# KiCad board DumpsterPanel.kicad_pcb (continued)
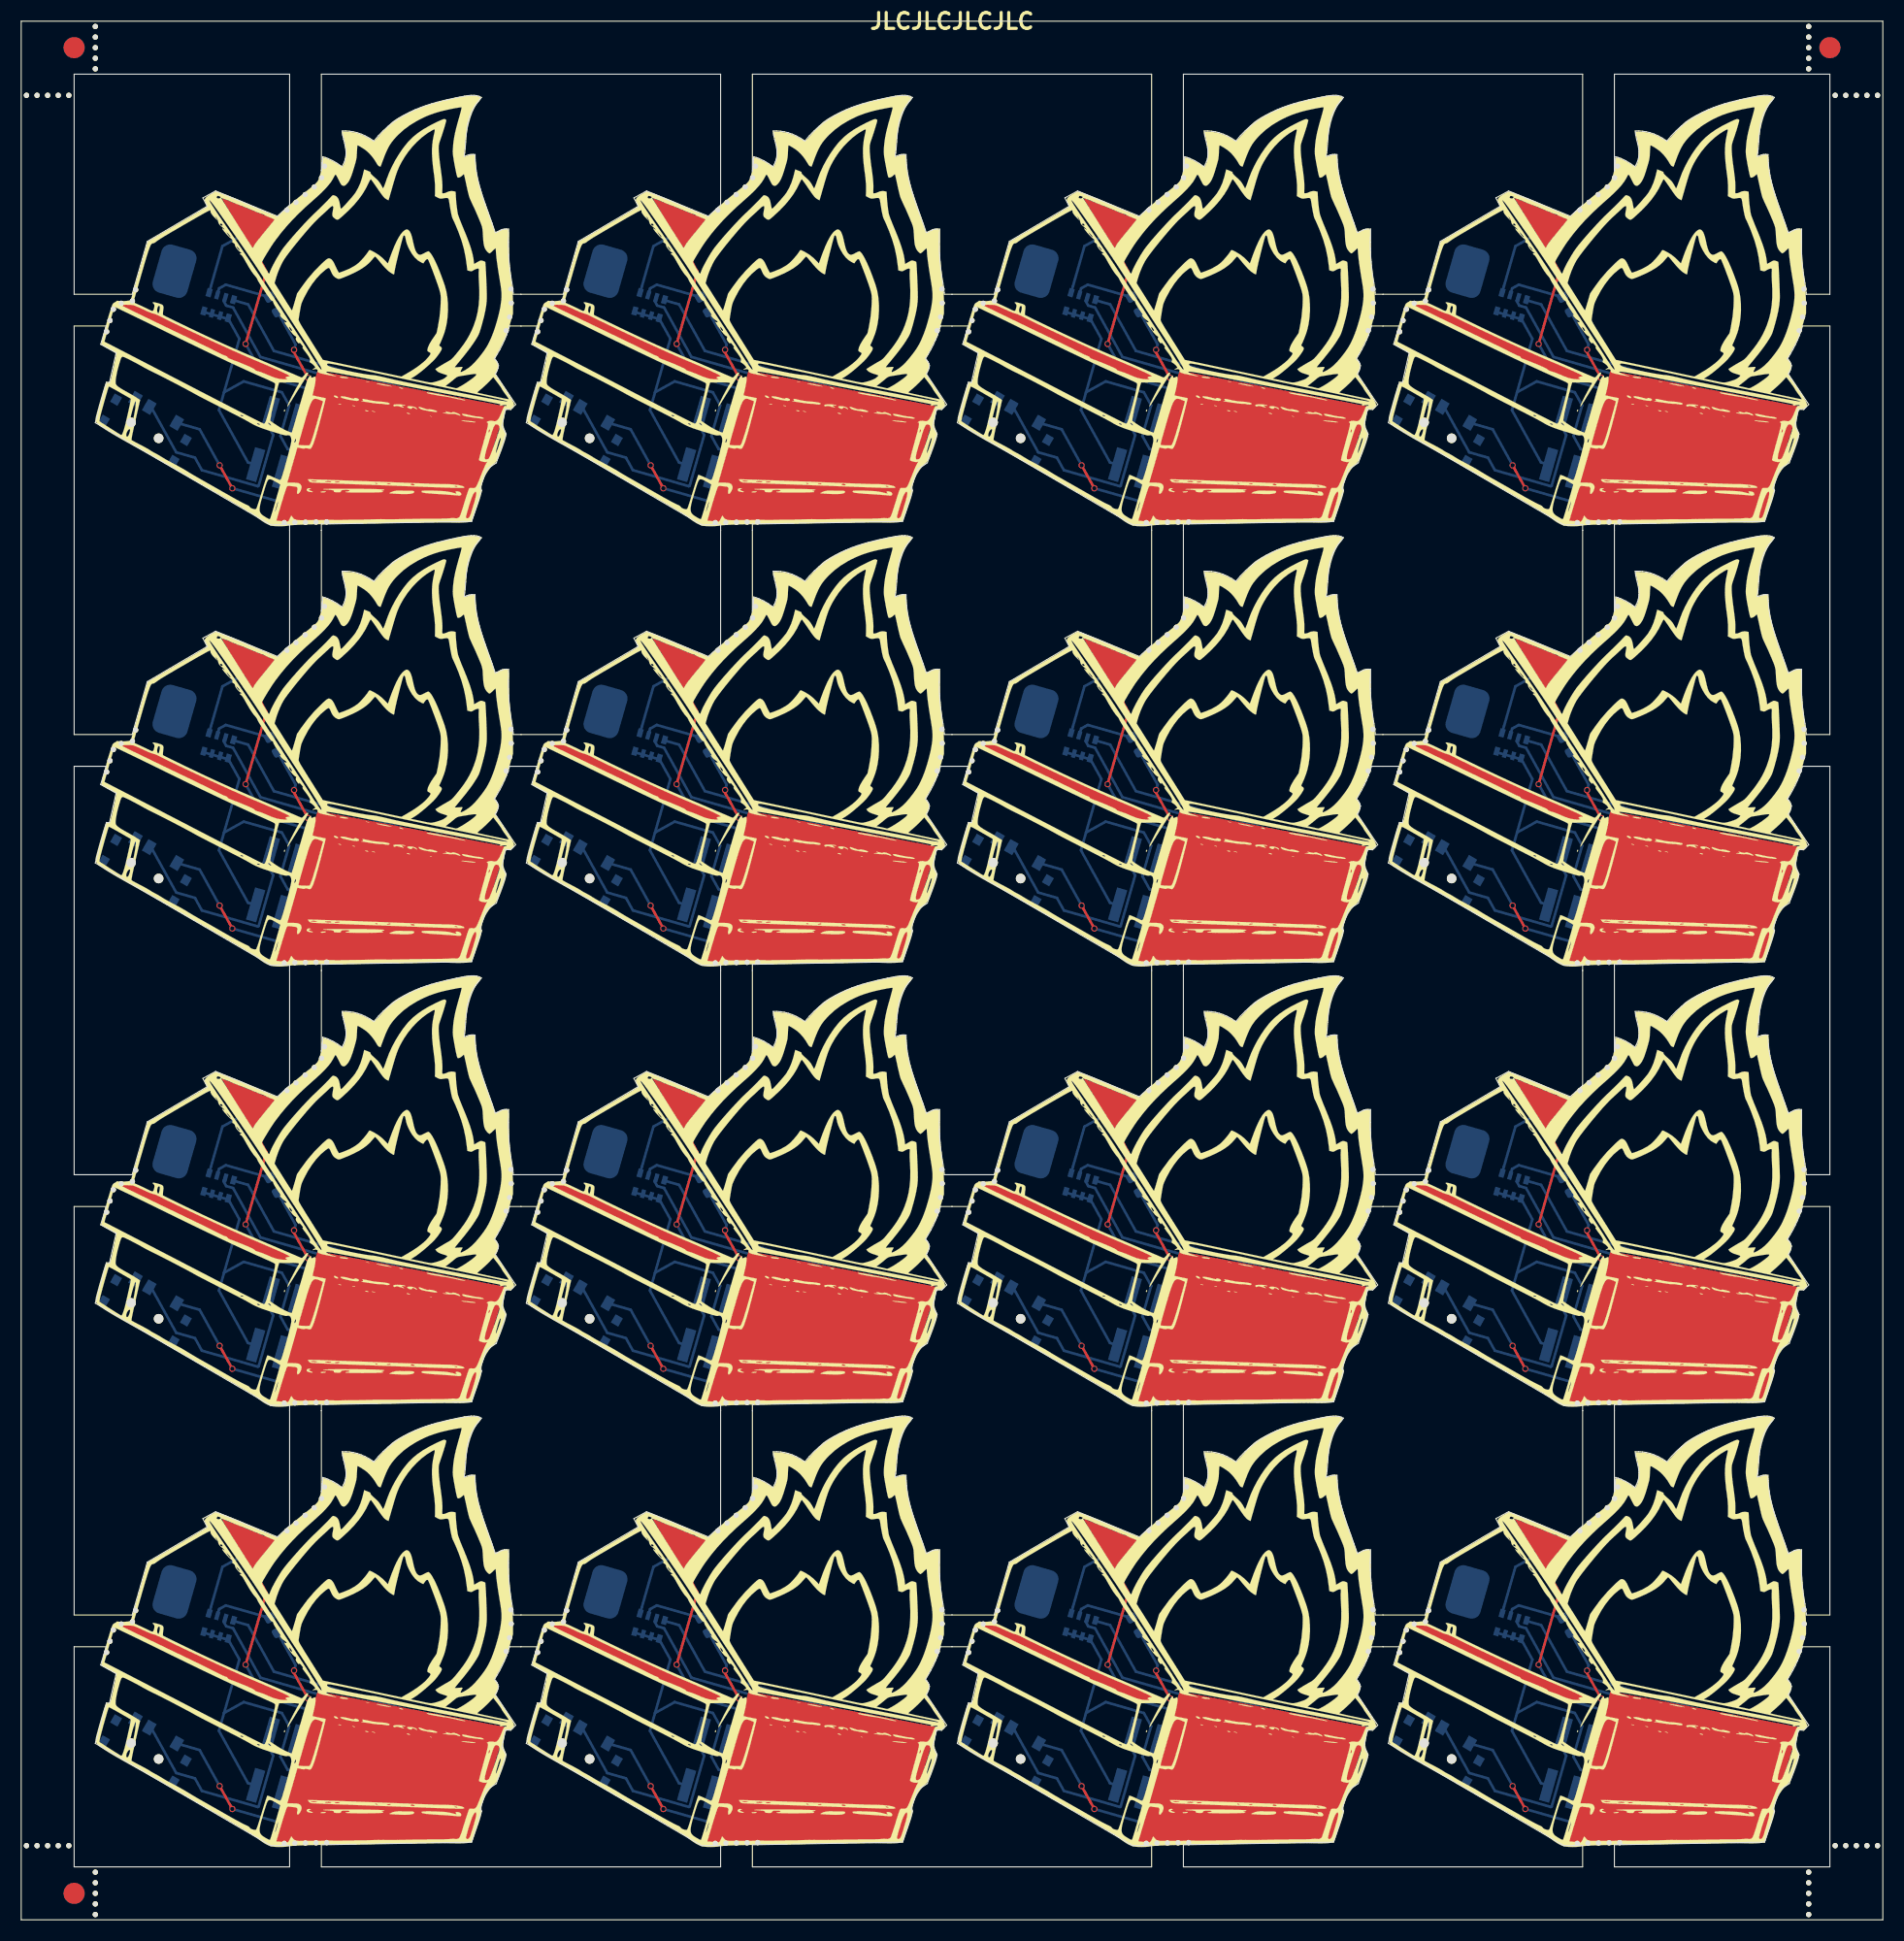
[diagram p0: board, top side]
## Nets (continued)
Board_12-unconnected-(U2-PD2-Pad19): U2#11.19
Board_12-unconnected-(U2-PD3-Pad20): U2#11.20
Board_12-unconnected-(U2-PD5-Pad2): U2#11.2
Board_12-unconnected-(U2-PD6-Pad3): U2#11.3
Board_12-unconnected-(U2-PD7-Pad4): U2#11.4
Board_12-VCC: C2#9.2 SW1#5.3 U2#11.9
Board_12-VSS: C2#9.1 J1#13.2 RN1#4.5 RN1#4.6 RN1#4.7 RN1#4.8 U2#11.7
Board_13-+3V3: J1#9.1 SW1#14.2
Board_13-A: D1#10.2 U2#8.11
Board_13-B: D4#3.2 U2#8.12
Board_13-C: D3#11.2 U2#8.13
Board_13-D: D2#3.2 U2#8.1
Board_13-Net-(D1-K): D1#10.1 RN1#7.1
Board_13-Net-(D2-K): D2#3.1 RN1#7.4
Board_13-Net-(D3-K): D3#11.1 RN1#7.3
Board_13-Net-(D4-K): D4#3.1 RN1#7.2
Board_13-SWIO: J1#9.5 U2#8.18
Board_13-unconnected-(J1-Pin_3-Pad3): J1#9.3
Board_13-unconnected-(J1-Pin_4-Pad4): J1#9.4
Board_13-unconnected-(J1-Pin_6-Pad6): J1#9.6
Board_13-unconnected-(J2-Pin_1-Pad1): J2#15.1
Board_13-unconnected-(SW1-A-Pad1): SW1#14.1
Board_13-unconnected-(U2-PA1-Pad5): U2#8.5
Board_13-unconnected-(U2-PA2-Pad6): U2#8.6
Board_13-unconnected-(U2-PC0-Pad10): U2#8.10
Board_13-unconnected-(U2-PC4-Pad14): U2#8.14
Board_13-unconnected-(U2-PC5-Pad15): U2#8.15
Board_13-unconnected-(U2-PC6-Pad16): U2#8.16
Board_13-unconnected-(U2-PC7-Pad17): U2#8.17
Board_13-unconnected-(U2-PD0-Pad8): U2#8.8
Board_13-unconnected-(U2-PD2-Pad19): U2#8.19
Board_13-unconnected-(U2-PD3-Pad20): U2#8.20
Board_13-unconnected-(U2-PD5-Pad2): U2#8.2
Board_13-unconnected-(U2-PD6-Pad3): U2#8.3
Board_13-unconnected-(U2-PD7-Pad4): U2#8.4
Board_13-VCC: C2#2.2 SW1#14.3 U2#8.9
Board_13-VSS: C2#2.1 J1#9.2 RN1#7.5 RN1#7.6 RN1#7.7 RN1#7.8 U2#8.7
Board_14-+3V3: J1#4.1 SW1#6.2
Board_14-A: D1#12.2 U2#15.11
Board_14-B: D4#9.2 U2#15.12
Board_14-C: D3#2.2 U2#15.13
Board_14-D: D2#9.2 U2#15.1
Board_14-Net-(D1-K): D1#12.1 RN1#3.1
Board_14-Net-(D2-K): D2#9.1 RN1#3.4
Board_14-Net-(D3-K): D3#2.1 RN1#3.3
Board_14-Net-(D4-K): D4#9.1 RN1#3.2
Board_14-SWIO: J1#4.5 U2#15.18
Board_14-unconnected-(J1-Pin_3-Pad3): J1#4.3
Board_14-unconnected-(J1-Pin_4-Pad4): J1#4.4
Board_14-unconnected-(J1-Pin_6-Pad6): J1#4.6
Board_14-unconnected-(J2-Pin_1-Pad1): J2#13.1
Board_14-unconnected-(SW1-A-Pad1): SW1#6.1
Board_14-unconnected-(U2-PA1-Pad5): U2#15.5
Board_14-unconnected-(U2-PA2-Pad6): U2#15.6
Board_14-unconnected-(U2-PC0-Pad10): U2#15.10
Board_14-unconnected-(U2-PC4-Pad14): U2#15.14
Board_14-unconnected-(U2-PC5-Pad15): U2#15.15
Board_14-unconnected-(U2-PC6-Pad16): U2#15.16
Board_14-unconnected-(U2-PC7-Pad17): U2#15.17
Board_14-unconnected-(U2-PD0-Pad8): U2#15.8
Board_14-unconnected-(U2-PD2-Pad19): U2#15.19
Board_14-unconnected-(U2-PD3-Pad20): U2#15.20
Board_14-unconnected-(U2-PD5-Pad2): U2#15.2
Board_14-unconnected-(U2-PD6-Pad3): U2#15.3
Board_14-unconnected-(U2-PD7-Pad4): U2#15.4
Board_14-VCC: C2#11.2 SW1#6.3 U2#15.9
Board_14-VSS: C2#11.1 J1#4.2 RN1#3.5 RN1#3.6 RN1#3.7 RN1#3.8 U2#15.7
Board_15-+3V3: J1#14.1 SW1.2
Board_15-A: D1#14.2 U2#16.11
Board_15-B: D4#14.2 U2#16.12
Board_15-C: D3#6.2 U2#16.13
Board_15-D: D2#12.2 U2#16.1
Board_15-Net-(D1-K): D1#14.1 RN1.1
Board_15-Net-(D2-K): D2#12.1 RN1.4
Board_15-Net-(D3-K): D3#6.1 RN1.3
Board_15-Net-(D4-K): D4#14.1 RN1.2
Board_15-SWIO: J1#14.5 U2#16.18
Board_15-unconnected-(J1-Pin_3-Pad3): J1#14.3
Board_15-unconnected-(J1-Pin_4-Pad4): J1#14.4
Board_15-unconnected-(J1-Pin_6-Pad6): J1#14.6
Board_15-unconnected-(J2-Pin_1-Pad1): J2#4.1
Board_15-unconnected-(SW1-A-Pad1): SW1.1
Board_15-unconnected-(U2-PA1-Pad5): U2#16.5
Board_15-unconnected-(U2-PA2-Pad6): U2#16.6
Board_15-unconnected-(U2-PC0-Pad10): U2#16.10
Board_15-unconnected-(U2-PC4-Pad14): U2#16.14
Board_15-unconnected-(U2-PC5-Pad15): U2#16.15
Board_15-unconnected-(U2-PC6-Pad16): U2#16.16
Board_15-unconnected-(U2-PC7-Pad17): U2#16.17
Board_15-unconnected-(U2-PD0-Pad8): U2#16.8
Board_15-unconnected-(U2-PD2-Pad19): U2#16.19
Board_15-unconnected-(U2-PD3-Pad20): U2#16.20
Board_15-unconnected-(U2-PD5-Pad2): U2#16.2
Board_15-unconnected-(U2-PD6-Pad3): U2#16.3
Board_15-unconnected-(U2-PD7-Pad4): U2#16.4
Board_15-VCC: C2#7.2 SW1.3 U2#16.9
Board_15-VSS: C2#7.1 J1#14.2 RN1.5 RN1.6 RN1.7 RN1.8 U2#16.7

Pads without a net: SW1 4; SW1#2 4; SW1#3 4; SW1#4 4; SW1#5 4; SW1#6 4; SW1#7 4; SW1#8 4; SW1#9 4; SW1#10 4; SW1#11 4; SW1#12 4; SW1#13 4; SW1#14 4; SW1#15 4; SW1#16 4

## Via types
v1: diameter 0.6, hole 0.4, Top to Bottom, 96 vias

## Routing (per net, layer and track width the routed paths; a pad name or vN(x,y) marks a point on that pad's centre or on a via; arc(x,y) is an arc through that point)
Board_0-+3V3: length 21.2
  Bottom w0.25: J1#16.1 23.24,141.23 23.8,140.21 22.43,135.42 22.35,135.38 17.07,136.89 16.41,138.07 14.64,138.58 12.28,142.84 12.02,142.92
Board_0-A: length 29.6
  Top w0.25: v1(22.5,156.82) 23.15,155.64 v1(21.2,148.82)
  Bottom w0.25: v1(21.2,148.82) 22.88,145.78 30.18,143.69 30.87,142.45 29.9,139.08 31.21,136.71 U2#9.11 ; v1(22.5,156.82) 22.36,156.86 D1#3.2
Board_0-B: length 19.2
  Top w0.25: v1(27.09,145.62) 25.72,148.09 v1(25.77,148.26)
  Bottom w0.25: v1(25.77,148.26) 25.92,148.76 D4#4.2 ; U2#9.12 31.38,137.34 30.42,139.07 31.45,142.66 30.67,144.07 27.44,145 v1(27.09,145.62)
Board_0-C: length 8.2
  Bottom w0.25: U2#9.13 31.56,137.96 30.94,139.08 31.97,142.66 31.44,143.62 D3#8.2
Board_0-D: length 3.6
  Bottom w0.25: U2#9.1 39.59,142.53 D2#5.2
Board_0-Net-(D1-K): length 8
  Bottom w0.25: D1#3.1 19.01,158.05 RN1#11.1
Board_0-Net-(D2-K): length 22.5
  Bottom w0.25: D2#5.1 23.87,148.15 21.43,152.54 20.14,152.92
Board_0-Net-(D3-K): length 14.8
  Bottom w0.25: D3#8.1 22.6,147.58 20.01,152.25 19.36,152.44 19.13,152.86 19.22,153.18
Board_0-Net-(D4-K): length 5.7
  Bottom w0.25: D4#4.1 19.32,154.41 18.7,154.06 RN1#11.2
Board_0-SWIO: length 15.1
  Bottom w0.25: U2#9.18 34.74,140.43 35.1,139.78 33.99,135.94 33,135.39 31.13,135.93 28.41,140.84 J1#16.5
Board_0-VCC: length 30.4
  Top w0.25: v1(18.74,137.35) v1(19.94,135.18)
  Bottom w0.25: SW1#7.3 16.86,140.75 v1(18.74,137.35) ; C2#3.2 39.96,134.88 U2#9.9 36.4,135.9 29.94,132.32 v1(19.94,135.18)
Board_0-VSS: length 48.1
  Bottom w0.25: J1#16.2 21.42,137.62 18.68,142.57 19.16,144.25 ; 19.16,144.25 20.61,149.3 19.58,151.15 17.18,151.84 ; 19.16,144.25 21.02,145.28 24.62,144.24 25.31,143.01 24.48,140.12 25.16,138.89 29.01,137.78 30.72,134.69 32.36,134.22 36.81,136.69 36.83,136.74 37.28,137 U2#9.7 40.08,136.2 C2#3.1
Board_1-+3V3: length 21.2
  Bottom w0.25: J1#5.1 63.94,141.23 64.5,140.21 63.13,135.42 63.05,135.38 57.77,136.89 57.11,138.07 55.34,138.58 52.98,142.84 52.72,142.92
Board_1-A: length 29.6
  Top w0.25: v1(63.21,156.82) 63.86,155.64 v1(61.9,148.82)
  Bottom w0.25: U2#6.11 71.91,136.71 70.6,139.08 71.57,142.45 70.88,143.69 63.58,145.78 v1(61.9,148.82) ; D1.2 63.06,156.86 v1(63.21,156.82)
Board_1-B: length 19.2
  Top w0.25: v1(66.47,148.26) 66.42,148.09 v1(67.8,145.62)
  Bottom w0.25: v1(66.47,148.26) 66.62,148.76 D4#10.2 ; U2#6.12 72.08,137.34 71.12,139.07 72.15,142.66 71.37,144.07 68.14,145 v1(67.8,145.62)
Board_1-C: length 8.2
  Bottom w0.25: D3#3.2 72.14,143.62 72.67,142.66 71.64,139.08 72.26,137.96 U2#6.13
Board_1-D: length 3.6
  Bottom w0.25: U2#6.1 80.29,142.53 D2#10.2
Board_1-Net-(D1-K): length 8
  Bottom w0.25: D1.1 59.71,158.05 RN1#10.1
Board_1-Net-(D2-K): length 22.5
  Bottom w0.25: 60.84,152.92 62.14,152.54 64.57,148.15 D2#10.1
Board_1-Net-(D3-K): length 14.8
  Bottom w0.25: 59.93,153.18 59.83,152.86 60.07,152.44 60.71,152.25 63.3,147.58 D3#3.1
Board_1-Net-(D4-K): length 5.7
  Bottom w0.25: RN1#10.2 59.4,154.06 60.02,154.41 D4#10.1
Board_1-SWIO: length 15.1
  Bottom w0.25: J1#5.5 69.11,140.84 71.83,135.93 73.71,135.39 74.7,135.94 75.8,139.78 75.44,140.43 U2#6.18
Board_1-VCC: length 30.4
  Top w0.25: v1(59.44,137.35) v1(60.64,135.18)
  Bottom w0.25: v1(60.64,135.18) 70.64,132.32 77.1,135.9 U2#6.9 80.66,134.88 C2.2 ; SW1#4.3 57.56,140.75 v1(59.44,137.35)
Board_1-VSS: length 48.1
  Bottom w0.25: J1#5.2 62.12,137.62 59.38,142.57 59.86,144.25 ; C2.1 80.78,136.2 U2#6.7 77.99,137 77.53,136.74 77.51,136.69 73.06,134.22 71.43,134.69 69.71,137.78 65.87,138.89 65.18,140.12 66.01,143.01 65.32,144.24 61.72,145.28 59.86,144.25 ; 57.88,151.84 60.28,151.15 61.31,149.3 59.86,144.25
Board_2-+3V3: length 21.2
  Bottom w0.25: J1#6.1 104.64,141.23 105.21,140.21 103.83,135.42 103.75,135.38 98.47,136.89 97.82,138.07 96.05,138.58 93.68,142.84 93.42,142.92
Board_2-A: length 29.6
  Top w0.25: v1(103.91,156.82) 104.56,155.64 v1(102.6,148.82)
  Bottom w0.25: D1#11.2 103.76,156.86 v1(103.91,156.82) ; U2#5.11 112.62,136.71 111.31,139.08 112.27,142.45 111.59,143.69 104.28,145.78 v1(102.6,148.82)
Board_2-B: length 19.2
  Top w0.25: v1(108.5,145.62) 107.13,148.09 v1(107.18,148.26)
  Bottom w0.25: v1(107.18,148.26) 107.32,148.76 D4.2 ; U2#5.12 112.78,137.34 111.82,139.07 112.85,142.66 112.07,144.07 108.84,145 v1(108.5,145.62)
Board_2-C: length 8.2
  Bottom w0.25: D3#4.2 112.84,143.62 113.37,142.66 112.35,139.08 112.96,137.96 U2#5.13
Board_2-D: length 3.6
  Bottom w0.25: D2#14.2 120.99,142.53 U2#5.1
Board_2-Net-(D1-K): length 8
  Bottom w0.25: RN1#9.1 100.41,158.05 D1#11.1
Board_2-Net-(D2-K): length 22.5
  Bottom w0.25: 101.54,152.92 102.84,152.54 105.27,148.15 D2#14.1
Board_2-Net-(D3-K): length 14.8
  Bottom w0.25: D3#4.1 104,147.58 101.41,152.25 100.77,152.44 100.54,152.86 100.63,153.18
Board_2-Net-(D4-K): length 5.7
  Bottom w0.25: RN1#9.2 100.1,154.06 100.73,154.41 D4.1
Board_2-SWIO: length 15.1
  Bottom w0.25: U2#5.18 116.14,140.43 116.5,139.78 115.4,135.94 114.41,135.39 112.54,135.93 109.81,140.84 J1#6.5
Board_2-VCC: length 30.4
  Top w0.25: v1(100.15,137.35) v1(101.35,135.18)
  Bottom w0.25: v1(100.15,137.35) 98.26,140.75 SW1#13.3 ; v1(101.35,135.18) 111.34,132.32 117.81,135.9 U2#5.9 121.36,134.88 C2#4.2
Board_2-VSS: length 48.1
  Bottom w0.25: J1#6.2 102.83,137.62 100.08,142.57 100.56,144.25 ; 100.56,144.25 102.42,145.28 106.02,144.24 106.71,143.01 105.88,140.12 106.57,138.89 110.41,137.78 112.13,134.69 113.76,134.22 118.22,136.69 118.23,136.74 118.69,137 U2#5.7 121.48,136.2 C2#4.1 ; 100.56,144.25 102.01,149.3 100.98,151.15 98.58,151.84
Board_3-+3V3: length 21.2
  Bottom w0.25: J1#8.1 145.34,141.23 145.91,140.21 144.54,135.42 144.46,135.38 139.17,136.89 138.52,138.07 136.75,138.58 134.39,142.84 134.12,142.92
Board_3-A: length 29.6
  Top w0.25: v1(144.61,156.82) 145.26,155.64 v1(143.31,148.82)
  Bottom w0.25: D1#13.2 144.47,156.86 v1(144.61,156.82) ; v1(143.31,148.82) 144.99,145.78 152.29,143.69 152.98,142.45 152.01,139.08 153.32,136.71 U2#14.11
Board_3-B: length 19.2
  Top w0.25: v1(149.2,145.62) 147.83,148.09 v1(147.88,148.26)
  Bottom w0.25: v1(147.88,148.26) 148.02,148.76 D4#16.2 ; v1(149.2,145.62) 149.54,145 152.78,144.07 153.56,142.66 152.53,139.07 153.49,137.34 U2#14.12
Board_3-C: length 8.2
  Bottom w0.25: D3#5.2 153.54,143.62 154.07,142.66 153.05,139.08 153.67,137.96 U2#14.13
Board_3-D: length 3.6
  Bottom w0.25: D2#11.2 161.7,142.53 U2#14.1
Board_3-Net-(D1-K): length 8
  Bottom w0.25: RN1#2.1 141.12,158.05 D1#13.1
Board_3-Net-(D2-K): length 22.5
  Bottom w0.25: D2#11.1 145.98,148.15 143.54,152.54 142.24,152.92
Board_3-Net-(D3-K): length 14.8
  Bottom w0.25: 141.33,153.18 141.24,152.86 141.47,152.44 142.12,152.25 144.7,147.58 D3#5.1
Board_3-Net-(D4-K): length 5.7
  Bottom w0.25: RN1#2.2 140.8,154.06 141.43,154.41 D4#16.1
Board_3-SWIO: length 15.1
  Bottom w0.25: U2#14.18 156.84,140.43 157.2,139.78 156.1,135.94 155.11,135.39 153.24,135.93 150.52,140.84 J1#8.5
Board_3-VCC: length 30.4
  Top w0.25: v1(140.85,137.35) v1(142.05,135.18)
  Bottom w0.25: v1(140.85,137.35) 138.96,140.75 SW1#11.3 ; v1(142.05,135.18) 152.05,132.32 158.51,135.9 U2#14.9 162.07,134.88 C2#5.2
Board_3-VSS: length 48.1
  Bottom w0.25: 139.28,151.84 141.69,151.15 142.71,149.3 141.27,144.25 ; C2#5.1 162.18,136.2 U2#14.7 159.39,137 158.93,136.74 158.92,136.69 154.47,134.22 152.83,134.69 151.12,137.78 147.27,138.89 146.59,140.12 147.41,143.01 146.73,144.24 143.12,145.28 141.27,144.25 ; J1#8.2 143.53,137.62 140.79,142.57 141.27,144.25
Board_4-+3V3: length 21.2
  Bottom w0.25: 12.02,101.34 12.28,101.27 14.64,97.01 16.41,96.5 17.07,95.32 22.35,93.8 22.43,93.85 23.8,98.64 23.24,99.66 J1#12.1
Board_4-A: length 29.6
  Top w0.25: v1(22.5,115.24) 23.15,114.07 v1(21.2,107.24)
  Bottom w0.25: U2#13.11 31.21,95.14 29.9,97.5 30.87,100.88 30.18,102.12 22.88,104.21 v1(21.2,107.24) ; D1#5.2 22.36,115.28 v1(22.5,115.24)
Board_4-B: length 19.2
  Top w0.25: v1(27.09,104.04) 25.72,106.52 v1(25.77,106.69)
  Bottom w0.25: v1(27.09,104.04) 27.44,103.42 30.67,102.5 31.45,101.09 30.42,97.5 31.38,95.77 U2#13.12 ; v1(25.77,106.69) 25.92,107.19 D4#8.2
Board_4-C: length 8.2
  Bottom w0.25: U2#13.13 31.56,96.39 30.94,97.5 31.97,101.09 31.44,102.04 D3#16.2
Board_4-D: length 3.6
  Bottom w0.25: D2#8.2 39.59,100.95 U2#13.1
Board_4-Net-(D1-K): length 8
  Bottom w0.25: D1#5.1 19.01,116.48 RN1#15.1
Board_4-Net-(D2-K): length 22.5
  Bottom w0.25: 20.14,111.34 21.43,110.97 23.87,106.58 D2#8.1
Board_4-Net-(D3-K): length 14.8
  Bottom w0.25: 19.22,111.61 19.13,111.28 19.36,110.86 20.01,110.68 22.6,106.01 D3#16.1
Board_4-Net-(D4-K): length 5.7
  Bottom w0.25: RN1#15.2 18.7,112.49 19.32,112.83 D4#8.1
Board_4-SWIO: length 15.1
  Bottom w0.25: U2#13.18 34.74,98.86 35.1,98.21 33.99,94.37 33,93.82 31.13,94.35 28.41,99.27 J1#12.5
Board_4-VCC: length 30.4
  Top w0.25: v1(18.74,95.78) v1(19.94,93.61)
  Bottom w0.25: SW1#3.3 16.86,99.18 v1(18.74,95.78) ; C2#16.2 39.96,93.31 U2#13.9 36.4,94.33 29.94,90.74 v1(19.94,93.61)
Board_4-VSS: length 48.1
  Bottom w0.25: 19.16,102.68 18.68,100.99 21.42,96.05 J1#12.2 ; 19.16,102.68 20.61,107.72 19.58,109.58 17.18,110.27 ; 19.16,102.68 21.02,103.71 24.62,102.67 25.31,101.44 24.48,98.55 25.16,97.31 29.01,96.21 30.72,93.12 32.36,92.65 36.81,95.12 36.83,95.17 37.28,95.43 U2#13.7 40.08,94.63 C2#16.1
Board_5-+3V3: length 21.2
  Bottom w0.25: J1#15.1 63.94,99.66 64.5,98.64 63.13,93.85 63.05,93.8 57.77,95.32 57.11,96.5 55.34,97.01 52.98,101.27 52.72,101.34
Board_5-A: length 29.6
  Top w0.25: v1(61.9,107.24) 63.86,114.07 v1(63.21,115.24)
  Bottom w0.25: v1(61.9,107.24) 63.58,104.21 70.88,102.12 71.57,100.88 70.6,97.5 71.91,95.14 U2#3.11 ; D1#6.2 63.06,115.28 v1(63.21,115.24)
Board_5-B: length 19.2
  Top w0.25: v1(66.47,106.69) 66.42,106.52 v1(67.8,104.04)
  Bottom w0.25: U2#3.12 72.08,95.77 71.12,97.5 72.15,101.09 71.37,102.5 68.14,103.42 v1(67.8,104.04) ; D4#13.2 66.62,107.19 v1(66.47,106.69)
Board_5-C: length 8.2
  Bottom w0.25: U2#3.13 72.26,96.39 71.64,97.5 72.67,101.09 72.14,102.04 D3#10.2
Board_5-D: length 3.6
  Bottom w0.25: U2#3.1 80.29,100.95 D2#6.2
Board_5-Net-(D1-K): length 8
  Bottom w0.25: RN1#5.1 59.71,116.48 D1#6.1
Board_5-Net-(D2-K): length 22.5
  Bottom w0.25: D2#6.1 64.57,106.58 62.14,110.97 60.84,111.34
Board_5-Net-(D3-K): length 14.8
  Bottom w0.25: D3#10.1 63.3,106.01 60.71,110.68 60.07,110.86 59.83,111.28 59.93,111.61
Board_5-Net-(D4-K): length 5.7
  Bottom w0.25: RN1#5.2 59.4,112.49 60.02,112.83 D4#13.1
Board_5-SWIO: length 15.1
  Bottom w0.25: J1#15.5 69.11,99.27 71.83,94.35 73.71,93.82 74.7,94.37 75.8,98.21 75.44,98.86 U2#3.18
Board_5-VCC: length 30.4
  Top w0.25: v1(59.44,95.78) v1(60.64,93.61)
  Bottom w0.25: v1(59.44,95.78) 57.56,99.18 SW1#15.3 ; v1(60.64,93.61) 70.64,90.74 77.1,94.33 U2#3.9 80.66,93.31 C2#12.2
Board_5-VSS: length 48.1
  Bottom w0.25: 59.86,102.68 61.31,107.72 60.28,109.58 57.88,110.27 ; 59.86,102.68 59.38,100.99 62.12,96.05 J1#15.2 ; 59.86,102.68 61.72,103.71 65.32,102.67 66.01,101.44 65.18,98.55 65.87,97.31 69.71,96.21 71.43,93.12 73.06,92.65 77.51,95.12 77.53,95.17 77.99,95.43 U2#3.7 80.78,94.63 C2#12.1
Board_6-+3V3: length 21.2
  Bottom w0.25: J1#10.1 104.64,99.66 105.21,98.64 103.83,93.85 103.75,93.8 98.47,95.32 97.82,96.5 96.05,97.01 93.68,101.27 93.42,101.34
Board_6-A: length 29.6
  Top w0.25: v1(102.6,107.24) 104.56,114.07 v1(103.91,115.24)
  Bottom w0.25: v1(103.91,115.24) 103.76,115.28 D1#15.2 ; U2.11 112.62,95.14 111.31,97.5 112.27,100.88 111.59,102.12 104.28,104.21 v1(102.6,107.24)
Board_6-B: length 19.2
  Top w0.25: v1(108.5,104.04) 107.13,106.52 v1(107.18,106.69)
  Bottom w0.25: v1(107.18,106.69) 107.32,107.19 D4#15.2 ; U2.12 112.78,95.77 111.82,97.5 112.85,101.09 112.07,102.5 108.84,103.42 v1(108.5,104.04)
Board_6-C: length 8.2
  Bottom w0.25: U2.13 112.96,96.39 112.35,97.5 113.37,101.09 112.84,102.04 D3#7.2
Board_6-D: length 3.6
  Bottom w0.25: U2.1 120.99,100.95 D2.2
Board_6-Net-(D1-K): length 8
  Bottom w0.25: RN1#14.1 100.41,116.48 D1#15.1
Board_6-Net-(D2-K): length 22.5
  Bottom w0.25: D2.1 105.27,106.58 102.84,110.97 101.54,111.34
Board_6-Net-(D3-K): length 14.8
  Bottom w0.25: D3#7.1 104,106.01 101.41,110.68 100.77,110.86 100.54,111.28 100.63,111.61
Board_6-Net-(D4-K): length 5.7
  Bottom w0.25: D4#15.1 100.73,112.83 100.1,112.49 RN1#14.2
Board_6-SWIO: length 15.1
  Bottom w0.25: J1#10.5 109.81,99.27 112.54,94.35 114.41,93.82 115.4,94.37 116.5,98.21 116.14,98.86 U2.18
Board_6-VCC: length 30.4
  Top w0.25: v1(100.15,95.78) v1(101.35,93.61)
  Bottom w0.25: C2#14.2 121.36,93.31 U2.9 117.81,94.33 111.34,90.74 v1(101.35,93.61) ; SW1#9.3 98.26,99.18 v1(100.15,95.78)
Board_6-VSS: length 48.1
  Bottom w0.25: J1#10.2 102.83,96.05 100.08,100.99 100.56,102.68 ; 100.56,102.68 102.42,103.71 106.02,102.67 106.71,101.44 105.88,98.55 106.57,97.31 110.41,96.21 112.13,93.12 113.76,92.65 118.22,95.12 118.23,95.17 118.69,95.43 U2.7 121.48,94.63 C2#14.1 ; 100.56,102.68 102.01,107.72 100.98,109.58 98.58,110.27
Board_7-+3V3: length 21.2
  Bottom w0.25: 134.12,101.34 134.39,101.27 136.75,97.01 138.52,96.5 139.17,95.32 144.46,93.8 144.54,93.85 145.91,98.64 145.34,99.66 J1#11.1
Board_7-A: length 29.6
  Top w0.25: v1(143.31,107.24) 145.26,114.07 v1(144.61,115.24)
  Bottom w0.25: v1(143.31,107.24) 144.99,104.21 152.29,102.12 152.98,100.88 152.01,97.5 153.32,95.14 U2#2.11 ; v1(144.61,115.24) 144.47,115.28 D1#2.2
Board_7-B: length 19.2
  Top w0.25: v1(149.2,104.04) 147.83,106.52 v1(147.88,106.69)
  Bottom w0.25: D4#5.2 148.02,107.19 v1(147.88,106.69) ; U2#2.12 153.49,95.77 152.53,97.5 153.56,101.09 152.78,102.5 149.54,103.42 v1(149.2,104.04)
Board_7-C: length 8.2
  Bottom w0.25: D3#9.2 153.54,102.04 154.07,101.09 153.05,97.5 153.67,96.39 U2#2.13
Board_7-D: length 3.6
  Bottom w0.25: D2#4.2 161.7,100.95 U2#2.1
Board_7-Net-(D1-K): length 8
  Bottom w0.25: D1#2.1 141.12,116.48 RN1#13.1
Board_7-Net-(D2-K): length 22.5
  Bottom w0.25: 142.24,111.34 143.54,110.97 145.98,106.58 D2#4.1
Board_7-Net-(D3-K): length 14.8
  Bottom w0.25: D3#9.1 144.7,106.01 142.12,110.68 141.47,110.86 141.24,111.28 141.33,111.61
Board_7-Net-(D4-K): length 5.7
  Bottom w0.25: D4#5.1 141.43,112.83 140.8,112.49 RN1#13.2
Board_7-SWIO: length 15.1
  Bottom w0.25: U2#2.18 156.84,98.86 157.2,98.21 156.1,94.37 155.11,93.82 153.24,94.35 150.52,99.27 J1#11.5
Board_7-VCC: length 30.4
  Top w0.25: v1(140.85,95.78) v1(142.05,93.61)
  Bottom w0.25: v1(142.05,93.61) 152.05,90.74 158.51,94.33 U2#2.9 162.07,93.31 C2#13.2 ; SW1#16.3 138.96,99.18 v1(140.85,95.78)
Board_7-VSS: length 48.1
  Bottom w0.25: J1#11.2 143.53,96.05 140.79,100.99 141.27,102.68 ; 139.28,110.27 141.69,109.58 142.71,107.72 141.27,102.68 ; C2#13.1 162.18,94.63 U2#2.7 159.39,95.43 158.93,95.17 158.92,95.12 154.47,92.65 152.83,93.12 151.12,96.21 147.27,97.31 146.59,98.55 147.41,101.44 146.73,102.67 143.12,103.71 141.27,102.68
Board_8-+3V3: length 21.2
  Bottom w0.25: 12.02,59.77 12.28,59.7 14.64,55.44 16.41,54.93 17.07,53.75 22.35,52.23 22.43,52.28 23.8,57.07 23.24,58.09 J1#2.1
Board_8-A: length 29.6
  Top w0.25: v1(22.5,73.67) 23.15,72.49 v1(21.2,65.67)
  Bottom w0.25: D1#8.2 22.36,73.71 v1(22.5,73.67) ; U2#12.11 31.21,53.57 29.9,55.93 30.87,59.31 30.18,60.54 22.88,62.64 v1(21.2,65.67)
Board_8-B: length 19.2
  Top w0.25: v1(27.09,62.47) 25.72,64.94 v1(25.77,65.11)
  Bottom w0.25: v1(25.77,65.11) 25.92,65.62 D4#11.2 ; v1(27.09,62.47) 27.44,61.85 30.67,60.93 31.45,59.52 30.42,55.93 31.38,54.19 U2#12.12
Board_8-C: length 8.2
  Bottom w0.25: U2#12.13 31.56,54.82 30.94,55.93 31.97,59.51 31.44,60.47 D3#12.2
Board_8-D: length 3.6
  Bottom w0.25: D2#7.2 39.59,59.38 U2#12.1
Board_8-Net-(D1-K): length 8
  Bottom w0.25: RN1#8.1 19.01,74.91 D1#8.1
Board_8-Net-(D2-K): length 22.5
  Bottom w0.25: D2#7.1 23.87,65.01 21.43,69.4 20.14,69.77
Board_8-Net-(D3-K): length 14.8
  Bottom w0.25: D3#12.1 22.6,64.44 20.01,69.11 19.36,69.29 19.13,69.71 19.22,70.03
Board_8-Net-(D4-K): length 5.7
  Bottom w0.25: RN1#8.2 18.7,70.91 19.32,71.26 D4#11.1
Board_8-SWIO: length 15.1
  Bottom w0.25: J1#2.5 28.41,57.7 31.13,52.78 33,52.25 33.99,52.79 35.1,56.64 34.74,57.29 U2#12.18
Board_8-VCC: length 30.4
  Top w0.25: v1(18.74,54.2) v1(19.94,52.04)
  Bottom w0.25: v1(18.74,54.2) 16.86,57.6 SW1#8.3 ; v1(19.94,52.04) 29.94,49.17 36.4,52.75 U2#12.9 39.96,51.73 C2#6.2
Board_8-VSS: length 48.1
  Bottom w0.25: 17.18,68.7 19.58,68.01 20.61,66.15 19.16,61.1 ; 19.16,61.1 21.02,62.13 24.62,61.1 25.31,59.86 24.48,56.98 25.16,55.74 29.01,54.64 30.72,51.55 32.36,51.08 36.81,53.55 36.83,53.6 37.28,53.85 U2#12.7 40.08,53.05 C2#6.1 ; 19.16,61.1 18.68,59.42 21.42,54.47 J1#2.2
Board_9-+3V3: length 21.2
  Bottom w0.25: J1#3.1 63.94,58.09 64.5,57.07 63.13,52.28 63.05,52.23 57.77,53.75 57.11,54.93 55.34,55.44 52.98,59.7 52.72,59.77
Board_9-A: length 29.6
  Top w0.25: v1(61.9,65.67) 63.86,72.49 v1(63.21,73.67)
  Bottom w0.25: U2#4.11 71.91,53.57 70.6,55.93 71.57,59.31 70.88,60.54 63.58,62.64 v1(61.9,65.67) ; D1#16.2 63.06,73.71 v1(63.21,73.67)
Board_9-B: length 19.2
  Top w0.25: v1(66.47,65.11) 66.42,64.94 v1(67.8,62.47)
  Bottom w0.25: v1(66.47,65.11) 66.62,65.62 D4#7.2 ; v1(67.8,62.47) 68.14,61.85 71.37,60.93 72.15,59.52 71.12,55.93 72.08,54.19 U2#4.12
Board_9-C: length 8.2
  Bottom w0.25: U2#4.13 72.26,54.82 71.64,55.93 72.67,59.51 72.14,60.47 D3#14.2
Board_9-D: length 3.6
  Bottom w0.25: U2#4.1 80.29,59.38 D2#13.2
Board_9-Net-(D1-K): length 8
  Bottom w0.25: D1#16.1 59.71,74.91 RN1#12.1
Board_9-Net-(D2-K): length 22.5
  Bottom w0.25: D2#13.1 64.57,65.01 62.14,69.4 60.84,69.77
Board_9-Net-(D3-K): length 14.8
  Bottom w0.25: 59.93,70.03 59.83,69.71 60.07,69.29 60.71,69.11 63.3,64.44 D3#14.1
Board_9-Net-(D4-K): length 5.7
  Bottom w0.25: RN1#12.2 59.4,70.91 60.02,71.26 D4#7.1
Board_9-SWIO: length 15.1
  Bottom w0.25: J1#3.5 69.11,57.7 71.83,52.78 73.71,52.25 74.7,52.79 75.8,56.64 75.44,57.29 U2#4.18
Board_9-VCC: length 30.4
  Top w0.25: v1(59.44,54.2) v1(60.64,52.04)
  Bottom w0.25: C2#15.2 80.66,51.73 U2#4.9 77.1,52.75 70.64,49.17 v1(60.64,52.04) ; v1(59.44,54.2) 57.56,57.6 SW1#2.3
Board_9-VSS: length 48.1
  Bottom w0.25: 59.86,61.1 61.31,66.15 60.28,68.01 57.88,68.7 ; 59.86,61.1 61.72,62.13 65.32,61.1 66.01,59.86 65.18,56.98 65.87,55.74 69.71,54.64 71.43,51.55 73.06,51.08 77.51,53.55 77.53,53.6 77.99,53.85 U2#4.7 80.78,53.05 C2#15.1 ; 59.86,61.1 59.38,59.42 62.12,54.47 J1#3.2
Board_10-+3V3: length 21.2
  Bottom w0.25: J1.1 104.64,58.09 105.21,57.07 103.83,52.28 103.75,52.23 98.47,53.75 97.82,54.93 96.05,55.44 93.68,59.7 93.42,59.77
Board_10-A: length 29.6
  Top w0.25: v1(102.6,65.67) 104.56,72.49 v1(103.91,73.67)
  Bottom w0.25: D1#9.2 103.76,73.71 v1(103.91,73.67) ; v1(102.6,65.67) 104.28,62.64 111.59,60.54 112.27,59.31 111.31,55.93 112.62,53.57 U2#7.11
Board_10-B: length 19.2
  Top w0.25: v1(108.5,62.47) 107.13,64.94 v1(107.18,65.11)
  Bottom w0.25: v1(107.18,65.11) 107.32,65.62 D4#6.2 ; v1(108.5,62.47) 108.84,61.85 112.07,60.93 112.85,59.52 111.82,55.93 112.78,54.19 U2#7.12
Board_10-C: length 8.2
  Bottom w0.25: D3#15.2 112.84,60.47 113.37,59.51 112.35,55.93 112.96,54.82 U2#7.13
Board_10-D: length 3.6
  Bottom w0.25: D2#2.2 120.99,59.38 U2#7.1
Board_10-Net-(D1-K): length 8
  Bottom w0.25: D1#9.1 100.41,74.91 RN1#6.1
Board_10-Net-(D2-K): length 22.5
  Bottom w0.25: D2#2.1 105.27,65.01 102.84,69.4 101.54,69.77
Board_10-Net-(D3-K): length 14.8
  Bottom w0.25: 100.63,70.03 100.54,69.71 100.77,69.29 101.41,69.11 104,64.44 D3#15.1
Board_10-Net-(D4-K): length 5.7
  Bottom w0.25: D4#6.1 100.73,71.26 100.1,70.91 RN1#6.2
Board_10-SWIO: length 15.1
  Bottom w0.25: U2#7.18 116.14,57.29 116.5,56.64 115.4,52.79 114.41,52.25 112.54,52.78 109.81,57.7 J1.5
Board_10-VCC: length 30.4
  Top w0.25: v1(100.15,54.2) v1(101.35,52.04)
  Bottom w0.25: v1(101.35,52.04) 111.34,49.17 117.81,52.75 U2#7.9 121.36,51.73 C2#10.2 ; v1(100.15,54.2) 98.26,57.6 SW1#10.3
Board_10-VSS: length 48.1
  Bottom w0.25: C2#10.1 121.48,53.05 U2#7.7 118.69,53.85 118.23,53.6 118.22,53.55 113.76,51.08 112.13,51.55 110.41,54.64 106.57,55.74 105.88,56.98 106.71,59.86 106.02,61.1 102.42,62.13 100.56,61.1 ; 100.56,61.1 100.08,59.42 102.83,54.47 J1.2 ; 100.56,61.1 102.01,66.15 100.98,68.01 98.58,68.7
Board_11-+3V3: length 21.2
  Bottom w0.25: 134.12,59.77 134.39,59.7 136.75,55.44 138.52,54.93 139.17,53.75 144.46,52.23 144.54,52.28 145.91,57.07 145.34,58.09 J1#7.1
Board_11-A: length 29.6
  Top w0.25: v1(143.31,65.67) 145.26,72.49 v1(144.61,73.67)
  Bottom w0.25: v1(143.31,65.67) 144.99,62.64 152.29,60.54 152.98,59.31 152.01,55.93 153.32,53.57 U2#10.11 ; v1(144.61,73.67) 144.47,73.71 D1#4.2
Board_11-B: length 19.2
  Top w0.25: v1(149.2,62.47) 147.83,64.94 v1(147.88,65.11)
  Bottom w0.25: D4#2.2 148.02,65.62 v1(147.88,65.11) ; U2#10.12 153.49,54.19 152.53,55.93 153.56,59.52 152.78,60.93 149.54,61.85 v1(149.2,62.47)
Board_11-C: length 8.2
  Bottom w0.25: D3#13.2 153.54,60.47 154.07,59.51 153.05,55.93 153.67,54.82 U2#10.13
Board_11-D: length 3.6
  Bottom w0.25: U2#10.1 161.7,59.38 D2#16.2
Board_11-Net-(D1-K): length 8
  Bottom w0.25: D1#4.1 141.12,74.91 RN1#16.1
Board_11-Net-(D2-K): length 22.5
  Bottom w0.25: D2#16.1 145.98,65.01 143.54,69.4 142.24,69.77
Board_11-Net-(D3-K): length 14.8
  Bottom w0.25: 141.33,70.03 141.24,69.71 141.47,69.29 142.12,69.11 144.7,64.44 D3#13.1
Board_11-Net-(D4-K): length 5.7
  Bottom w0.25: D4#2.1 141.43,71.26 140.8,70.91 RN1#16.2
Board_11-SWIO: length 15.1
  Bottom w0.25: U2#10.18 156.84,57.29 157.2,56.64 156.1,52.79 155.11,52.25 153.24,52.78 150.52,57.7 J1#7.5
Board_11-VCC: length 30.4
  Top w0.25: v1(140.85,54.2) v1(142.05,52.04)
  Bottom w0.25: C2#8.2 162.07,51.73 U2#10.9 158.51,52.75 152.05,49.17 v1(142.05,52.04) ; v1(140.85,54.2) 138.96,57.6 SW1#12.3
Board_11-VSS: length 48.1
  Bottom w0.25: J1#7.2 143.53,54.47 140.79,59.42 141.27,61.1 ; 141.27,61.1 143.12,62.13 146.73,61.1 147.41,59.86 146.59,56.98 147.27,55.74 151.12,54.64 152.83,51.55 154.47,51.08 158.92,53.55 158.93,53.6 159.39,53.85 U2#10.7 162.18,53.05 C2#8.1 ; 141.27,61.1 142.71,66.15 141.69,68.01 139.28,68.7
Board_12-+3V3: length 21.2
  Bottom w0.25: 12.02,18.2 12.28,18.12 14.64,13.86 16.41,13.36 17.07,12.17 22.35,10.66 22.43,10.7 23.8,15.5 23.24,16.52 J1#13.1
Board_12-A: length 29.6
  Top w0.25: v1(22.5,32.1) 23.15,30.92 v1(21.2,24.1)
  Bottom w0.25: U2#11.11 31.21,11.99 29.9,14.36 30.87,17.74 30.18,18.97 22.88,21.07 v1(21.2,24.1) ; D1#7.2 22.36,32.14 v1(22.5,32.1)
Board_12-B: length 19.2
  Top w0.25: v1(25.77,23.54) 25.72,23.37 v1(27.09,20.9)
  Bottom w0.25: v1(27.09,20.9) 27.44,20.28 30.67,19.35 31.45,17.95 30.42,14.35 31.38,12.62 U2#11.12 ; v1(25.77,23.54) 25.92,24.04 D4#12.2
Board_12-C: length 8.2
  Bottom w0.25: D3.2 31.44,18.9 31.97,17.94 30.94,14.36 31.56,13.25 U2#11.13
Board_12-D: length 3.6
  Bottom w0.25: D2#15.2 39.59,17.81 U2#11.1
Board_12-Net-(D1-K): length 8
  Bottom w0.25: RN1#4.1 19.01,33.33 D1#7.1
Board_12-Net-(D2-K): length 22.5
  Bottom w0.25: 20.14,28.2 21.43,27.83 23.87,23.44 D2#15.1
Board_12-Net-(D3-K): length 14.8
  Bottom w0.25: D3.1 22.6,22.86 20.01,27.53 19.36,27.72 19.13,28.14 19.22,28.46
Board_12-Net-(D4-K): length 5.7
  Bottom w0.25: D4#12.1 19.32,29.69 18.7,29.34 RN1#4.2
Board_12-SWIO: length 15.1
  Bottom w0.25: J1#13.5 28.41,16.12 31.13,11.21 33,10.67 33.99,11.22 35.1,15.07 34.74,15.72 U2#11.18
Board_12-VCC: length 30.4
  Top w0.25: v1(18.74,12.63) v1(19.94,10.47)
  Bottom w0.25: v1(19.94,10.47) 29.94,7.6 36.4,11.18 U2#11.9 39.96,10.16 C2#9.2 ; v1(18.74,12.63) 16.86,16.03 SW1#5.3
Board_12-VSS: length 48.1
  Bottom w0.25: C2#9.1 40.08,11.48 U2#11.7 37.28,12.28 36.83,12.03 36.81,11.97 32.36,9.51 30.72,9.97 29.01,13.07 25.16,14.17 24.48,15.41 25.31,18.29 24.62,19.53 21.02,20.56 19.16,19.53 ; 19.16,19.53 18.68,17.85 21.42,12.9 J1#13.2 ; 19.16,19.53 20.61,24.58 19.58,26.43 17.18,27.12
Board_13-+3V3: length 21.2
  Bottom w0.25: 52.72,18.2 52.98,18.12 55.34,13.86 57.11,13.36 57.77,12.17 63.05,10.66 63.13,10.7 64.5,15.5 63.94,16.52 J1#9.1
Board_13-A: length 29.6
  Top w0.25: v1(61.9,24.1) 63.86,30.92 v1(63.21,32.1)
  Bottom w0.25: D1#10.2 63.06,32.14 v1(63.21,32.1) ; U2#8.11 71.91,11.99 70.6,14.36 71.57,17.74 70.88,18.97 63.58,21.07 v1(61.9,24.1)
Board_13-B: length 19.2
  Top w0.25: v1(67.8,20.9) 66.42,23.37 v1(66.47,23.54)
  Bottom w0.25: D4#3.2 66.62,24.04 v1(66.47,23.54) ; v1(67.8,20.9) 68.14,20.28 71.37,19.35 72.15,17.95 71.12,14.35 72.08,12.62 U2#8.12
Board_13-C: length 8.2
  Bottom w0.25: U2#8.13 72.26,13.25 71.64,14.36 72.67,17.94 72.14,18.9 D3#11.2
Board_13-D: length 3.6
  Bottom w0.25: D2#3.2 80.29,17.81 U2#8.1
Board_13-Net-(D1-K): length 8
  Bottom w0.25: RN1#7.1 59.71,33.33 D1#10.1
Board_13-Net-(D2-K): length 22.5
  Bottom w0.25: D2#3.1 64.57,23.44 62.14,27.83 60.84,28.2
Board_13-Net-(D3-K): length 14.8
  Bottom w0.25: D3#11.1 63.3,22.86 60.71,27.53 60.07,27.72 59.83,28.14 59.93,28.46
Board_13-Net-(D4-K): length 5.7
  Bottom w0.25: D4#3.1 60.02,29.69 59.4,29.34 RN1#7.2
Board_13-SWIO: length 15.1
  Bottom w0.25: J1#9.5 69.11,16.12 71.83,11.21 73.71,10.67 74.7,11.22 75.8,15.07 75.44,15.72 U2#8.18
Board_13-VCC: length 30.4
  Top w0.25: v1(59.44,12.63) v1(60.64,10.47)
  Bottom w0.25: SW1#14.3 57.56,16.03 v1(59.44,12.63) ; v1(60.64,10.47) 70.64,7.6 77.1,11.18 U2#8.9 80.66,10.16 C2#2.2
Board_13-VSS: length 48.1
  Bottom w0.25: J1#9.2 62.12,12.9 59.38,17.85 59.86,19.53 ; C2#2.1 80.78,11.48 U2#8.7 77.99,12.28 77.53,12.03 77.51,11.97 73.06,9.51 71.43,9.97 69.71,13.07 65.87,14.17 65.18,15.41 66.01,18.29 65.32,19.53 61.72,20.56 59.86,19.53 ; 59.86,19.53 61.31,24.58 60.28,26.43 57.88,27.12
Board_14-+3V3: length 21.2
  Bottom w0.25: J1#4.1 104.64,16.52 105.21,15.5 103.83,10.7 103.75,10.66 98.47,12.17 97.82,13.36 96.05,13.86 93.68,18.12 93.42,18.2
Board_14-A: length 29.6
  Top w0.25: v1(102.6,24.1) 104.56,30.92 v1(103.91,32.1)
  Bottom w0.25: v1(103.91,32.1) 103.76,32.14 D1#12.2 ; v1(102.6,24.1) 104.28,21.07 111.59,18.97 112.27,17.74 111.31,14.36 112.62,11.99 U2#15.11
Board_14-B: length 19.2
  Top w0.25: v1(108.5,20.9) 107.13,23.37 v1(107.18,23.54)
  Bottom w0.25: D4#9.2 107.32,24.04 v1(107.18,23.54) ; U2#15.12 112.78,12.62 111.82,14.35 112.85,17.95 112.07,19.35 108.84,20.28 v1(108.5,20.9)
Board_14-C: length 8.2
  Bottom w0.25: U2#15.13 112.96,13.25 112.35,14.36 113.37,17.94 112.84,18.9 D3#2.2
Board_14-D: length 3.6
  Bottom w0.25: U2#15.1 120.99,17.81 D2#9.2
Board_14-Net-(D1-K): length 8
  Bottom w0.25: D1#12.1 100.41,33.33 RN1#3.1
Board_14-Net-(D2-K): length 22.5
  Bottom w0.25: 101.54,28.2 102.84,27.83 105.27,23.44 D2#9.1
Board_14-Net-(D3-K): length 14.8
  Bottom w0.25: D3#2.1 104,22.86 101.41,27.53 100.77,27.72 100.54,28.14 100.63,28.46
Board_14-Net-(D4-K): length 5.7
  Bottom w0.25: D4#9.1 100.73,29.69 100.1,29.34 RN1#3.2
Board_14-SWIO: length 15.1
  Bottom w0.25: J1#4.5 109.81,16.12 112.54,11.21 114.41,10.67 115.4,11.22 116.5,15.07 116.14,15.72 U2#15.18
Board_14-VCC: length 30.4
  Top w0.25: v1(100.15,12.63) v1(101.35,10.47)
  Bottom w0.25: v1(101.35,10.47) 111.34,7.6 117.81,11.18 U2#15.9 121.36,10.16 C2#11.2 ; SW1#6.3 98.26,16.03 v1(100.15,12.63)
Board_14-VSS: length 48.1
  Bottom w0.25: 100.56,19.53 102.01,24.58 100.98,26.43 98.58,27.12 ; 100.56,19.53 102.42,20.56 106.02,19.53 106.71,18.29 105.88,15.41 106.57,14.17 110.41,13.07 112.13,9.97 113.76,9.51 118.22,11.97 118.23,12.03 118.69,12.28 U2#15.7 121.48,11.48 C2#11.1 ; 100.56,19.53 100.08,17.85 102.83,12.9 J1#4.2
Board_15-+3V3: length 21.2
  Bottom w0.25: J1#14.1 145.34,16.52 145.91,15.5 144.54,10.7 144.46,10.66 139.17,12.17 138.52,13.36 136.75,13.86 134.39,18.12 134.12,18.2
Board_15-A: length 29.6
  Top w0.25: v1(143.31,24.1) 145.26,30.92 v1(144.61,32.1)
  Bottom w0.25: D1#14.2 144.47,32.14 v1(144.61,32.1) ; v1(143.31,24.1) 144.99,21.07 152.29,18.97 152.98,17.74 152.01,14.36 153.32,11.99 U2#16.11
Board_15-B: length 19.2
  Top w0.25: v1(147.88,23.54) 147.83,23.37 v1(149.2,20.9)
  Bottom w0.25: D4#14.2 148.02,24.04 v1(147.88,23.54) ; U2#16.12 153.49,12.62 152.53,14.35 153.56,17.95 152.78,19.35 149.54,20.28 v1(149.2,20.9)
Board_15-C: length 8.2
  Bottom w0.25: U2#16.13 153.67,13.25 153.05,14.36 154.07,17.94 153.54,18.9 D3#6.2
Board_15-D: length 3.6
  Bottom w0.25: U2#16.1 161.7,17.81 D2#12.2
Board_15-Net-(D1-K): length 8
  Bottom w0.25: RN1.1 141.12,33.33 D1#14.1
Board_15-Net-(D2-K): length 22.5
  Bottom w0.25: D2#12.1 145.98,23.44 143.54,27.83 142.24,28.2
Board_15-Net-(D3-K): length 14.8
  Bottom w0.25: D3#6.1 144.7,22.86 142.12,27.53 141.47,27.72 141.24,28.14 141.33,28.46
Board_15-Net-(D4-K): length 5.7
  Bottom w0.25: D4#14.1 141.43,29.69 140.8,29.34 RN1.2
Board_15-SWIO: length 15.1
  Bottom w0.25: J1#14.5 150.52,16.12 153.24,11.21 155.11,10.67 156.1,11.22 157.2,15.07 156.84,15.72 U2#16.18
Board_15-VCC: length 30.4
  Top w0.25: v1(140.85,12.63) v1(142.05,10.47)
  Bottom w0.25: v1(140.85,12.63) 138.96,16.03 SW1.3 ; v1(142.05,10.47) 152.05,7.6 158.51,11.18 U2#16.9 162.07,10.16 C2#7.2
Board_15-VSS: length 48.1
  Bottom w0.25: 141.27,19.53 142.71,24.58 141.69,26.43 139.28,27.12 ; 141.27,19.53 143.12,20.56 146.73,19.53 147.41,18.29 146.59,15.41 147.27,14.17 151.12,13.07 152.83,9.97 154.47,9.51 158.92,11.97 158.93,12.03 159.39,12.28 U2#16.7 162.18,11.48 C2#7.1 ; 141.27,19.53 140.79,17.85 143.53,12.9 J1#14.2

## Text on the board
B.Silkscreen: 1
F.Silkscreen: JLCJLCJLCJLC
